# Altium PCB SensorControl_Board_v3.1.PcbDoc (part 2 of 2)
Units mm, origin at the board's own origin, x right, y up, seen from the top; angles counter-clockwise.
Board outline 75 x 62 mm, 4 copper layers (TOP, GND, PWR, BOT), stack 1.483 mm thick; 109 components, 86 nets, 400 pads, 254 vias.
Unrouted connection lines stored in the file: 2.
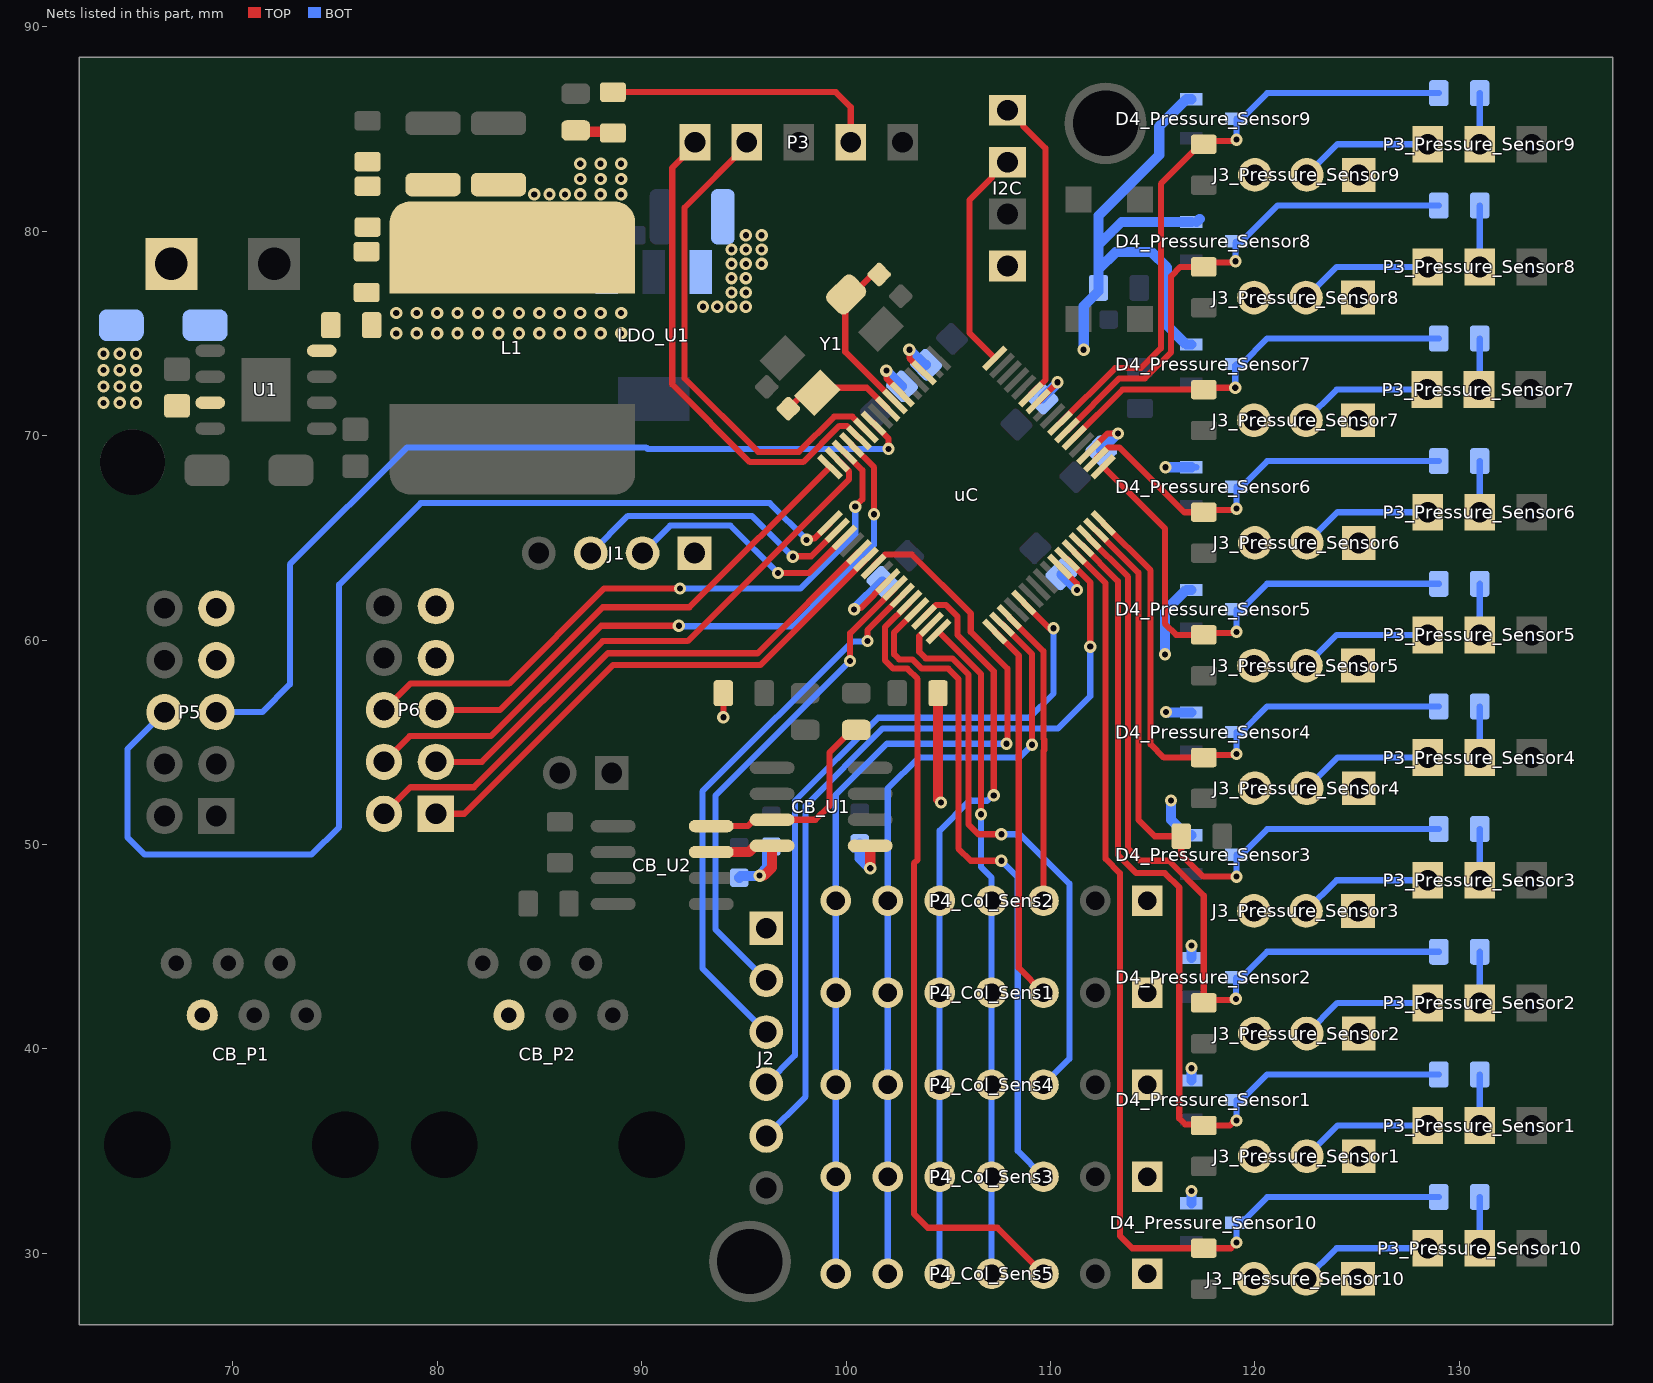
[diagram p4: the nets of this part, all layers, seen from the top]

## Via types
v1: diameter 0.6, hole 0.3, TOP to BOT, 252 vias
v2: diameter 1.27, hole 0.762, TOP to BOT, 2 vias

## Nets (pads, with @x,y where several pads share a name; then routed paths per layer and width w, separated by ;. In a path a pad name is that pad's centre, name@x,y a point inside that pad or via, vN(x,y) a via of type N, cw(c..) or ccw(c..) an arc to the next point about the centre after c; other vN are vias at no path point) (continued)
NetCB_U1_7: CB_U1.7 CB_U2.4 RXCAN.1 | length 10.6
  TOP w0.3: CB_U2.4@93.409,50.896 95.193,50.896 95.503,51.206 CB_U1.7@96.384,51.206 98.506,51.206 99.2,51.9 99.2,54.5 100.3,55.6 RXCAN.1@100.5,55.6
NetD2_2: D2.2 P1.2
NetJ3_Pressure_Sensor1_2: J3_Pressure_Sensor1.2 P3_Pressure_Sensor1.1 | length 6.5
  BOT w0.3: J3_Pressure_Sensor1.2@122.54,34.75 124.04,36.25 P3_Pressure_Sensor1.1@128.46,36.25
NetJ3_Pressure_Sensor2_2: J3_Pressure_Sensor2.2 P3_Pressure_Sensor2.1 | length 6.5
  BOT w0.3: J3_Pressure_Sensor2.2@122.54,40.75 124.04,42.25 P3_Pressure_Sensor2.1@128.46,42.25
NetJ3_Pressure_Sensor3_2: J3_Pressure_Sensor3.2 P3_Pressure_Sensor3.1 | length 6.6
  BOT w0.3: J3_Pressure_Sensor3.2@122.5,46.75 124,48.25 P3_Pressure_Sensor3.1@128.46,48.25
NetJ3_Pressure_Sensor4_2: J3_Pressure_Sensor4.2 P3_Pressure_Sensor4.1 | length 6.5
  BOT w0.3: J3_Pressure_Sensor4.2@122.54,52.75 124.04,54.25 P3_Pressure_Sensor4.1@128.46,54.25
NetJ3_Pressure_Sensor5_2: J3_Pressure_Sensor5.2 P3_Pressure_Sensor5.1 | length 6.8
  BOT w0.3: J3_Pressure_Sensor5.2@122.5,58.5 J3_Pressure_Sensor5.2@122.5,58.75 124,60.25 P3_Pressure_Sensor5.1@128.46,60.25
NetJ3_Pressure_Sensor6_2: J3_Pressure_Sensor6.2 P3_Pressure_Sensor6.1 | length 6.5
  BOT w0.3: J3_Pressure_Sensor6.2@122.54,64.75 124.04,66.25 P3_Pressure_Sensor6.1@128.46,66.25
NetJ3_Pressure_Sensor7_2: J3_Pressure_Sensor7.2 P3_Pressure_Sensor7.1 | length 6.5
  BOT w0.3: J3_Pressure_Sensor7.2@122.5,70.75 124,72.25 P3_Pressure_Sensor7.1@128.42,72.25
NetJ3_Pressure_Sensor8_2: J3_Pressure_Sensor8.2 P3_Pressure_Sensor8.1 | length 6.6
  BOT w0.3: J3_Pressure_Sensor8.2@122.5,76.75 124,78.25 P3_Pressure_Sensor8.1@128.46,78.25
NetJ3_Pressure_Sensor9_2: J3_Pressure_Sensor9.2 P3_Pressure_Sensor9.1 | length 6.5
  BOT w0.3: J3_Pressure_Sensor9.2@122.54,82.75 124.04,84.25 P3_Pressure_Sensor9.1@128.46,84.25
NetJ3_Pressure_Sensor10_2: J3_Pressure_Sensor10.2 P3_Pressure_Sensor10.1 | length 6.6
  BOT w0.3: J3_Pressure_Sensor10.2@122.5,28.75 124,30.25 P3_Pressure_Sensor10.1@128.46,30.25
NetP3_Pressure_Sensor1_2: P3_Pressure_Sensor1.2 R14_Pressure_Sensor1.1 | length 2.5
  BOT w0.3: P3_Pressure_Sensor1.2@131,36.25 R14_Pressure_Sensor1.1@131,38.75
NetP3_Pressure_Sensor2_2: P3_Pressure_Sensor2.2 R14_Pressure_Sensor2.1 | length 2.5
  BOT w0.3: P3_Pressure_Sensor2.2@131,42.25 R14_Pressure_Sensor2.1@131,44.75
NetP3_Pressure_Sensor3_2: P3_Pressure_Sensor3.2 R14_Pressure_Sensor3.1 | length 2.5
  BOT w0.3: P3_Pressure_Sensor3.2@131,48.25 R14_Pressure_Sensor3.1@131,50.75
NetP3_Pressure_Sensor4_2: P3_Pressure_Sensor4.2 R14_Pressure_Sensor4.1 | length 2.5
  BOT w0.3: P3_Pressure_Sensor4.2@131,54.25 R14_Pressure_Sensor4.1@131,56.75
NetP3_Pressure_Sensor5_2: P3_Pressure_Sensor5.2 R14_Pressure_Sensor5.1 | length 2.5
  BOT w0.3: P3_Pressure_Sensor5.2@131,60.25 R14_Pressure_Sensor5.1@131,62.75
NetP3_Pressure_Sensor6_2: P3_Pressure_Sensor6.2 R14_Pressure_Sensor6.1 | length 2.5
  BOT w0.3: P3_Pressure_Sensor6.2@131,66.25 R14_Pressure_Sensor6.1@131,68.75
NetP3_Pressure_Sensor7_2: P3_Pressure_Sensor7.2 R14_Pressure_Sensor7.1 | length 3
  BOT w0.3: P3_Pressure_Sensor7.2@130.96,71.75 131,71.79 R14_Pressure_Sensor7.1@131,74.75
NetP3_Pressure_Sensor8_2: P3_Pressure_Sensor8.2 R14_Pressure_Sensor8.1 | length 3
  BOT w0.3: P3_Pressure_Sensor8.2@131,78.25 R14_Pressure_Sensor8.1@131,81.25
NetP3_Pressure_Sensor9_2: P3_Pressure_Sensor9.2 R14_Pressure_Sensor9.1 | length 2.5
  BOT w0.3: P3_Pressure_Sensor9.2@131,84.25 R14_Pressure_Sensor9.1@131,86.75
NetP3_Pressure_Sensor10_2: P3_Pressure_Sensor10.2 R14_Pressure_Sensor10.1 | length 2.5
  BOT w0.3: P3_Pressure_Sensor10.2@131,30.25 R14_Pressure_Sensor10.1@131,32.75
NetPWR1_2: PWR1.2 R13.1 | length 1.9
  TOP w0.5: PWR1.2@86.775,84.925 86.838,84.862 88.537,84.862 R13.1@88.6,84.8
NetR2_1: R2.1 R5.2 U1.4
NetR5_1: R5.1 R6.2
NetR6_1: R6.1 R8.2
OSC1: C17.2 uC.39 Y1.1 | length 8.3
  TOP w0.3: C17.2@101.62,77.88 101.301,77.88 100.425,77.004 100.107,77.004 99.966,76.863 99.966,74.095 uC.39@102.4,71.661
OSC2: C18.2 uC.40 Y1.3 | length 5.7
  TOP w0.3: C18.2@97.18,71.32 98.056,72.196 98.693,72.196 98.834,72.337 101.016,72.337 uC.40@102.046,71.307
PGEC: P3.5 uC.44 | length 24
  TOP w0.3: P3.5@92.61,84.35 92.61,84.2 91.5,83.09 91.5,72.5 95.3,68.7 97.9,68.7 99.676,70.476 100.049,70.476 uC.44@100.632,69.893
PGED: P3.4 uC.43 | length 24.2
  TOP w0.3: P3.4@95.15,84.35 95.15,84.2 92.1,81.15 92.1,72.8 95.7,69.2 97.7,69.2 99.426,70.926 100.306,70.926 uC.43@100.986,70.247
PS1: D4_Pressure_Sensor1.3 R14_Pressure_Sensor1.2 R15_Pressure_Sensor1.2 uC.13 | length 45.3
  TOP w0.3: uC.13@111.521,64.66 113.3,62.882 113.3,49.5 114.2,48.6 115.6,48.6 116.3,47.9 116.3,36.6 116.591,36.309 117.441,36.309 R15_Pressure_Sensor1.2@117.5,36.25 118.769,36.25 119.019,36.5 v1(119.1,36.5)
  BOT w0.3: v1(119.1,36.5) D4_Pressure_Sensor1.3@119.1,37.5 119.35,37.5 120.6,38.75 R14_Pressure_Sensor1.2@129,38.75
PS2: D4_Pressure_Sensor2.3 R14_Pressure_Sensor2.2 R15_Pressure_Sensor2.2 uC.14 | length 39.1
  TOP w0.3: uC.14@111.875,65.014 113.8,63.089 113.8,49.8 114.4,49.2 115.8,49.2 117.5,47.5 R15_Pressure_Sensor2.2@117.5,42.25 117.668,42.418 117.696,42.389 119.014,42.389 v1(119.071,42.446)
  BOT w0.3: v1(119.071,42.446) 119.071,43.471 D4_Pressure_Sensor2.3@119.1,43.5 119.35,43.5 120.6,44.75 R14_Pressure_Sensor2.2@129,44.75
PS3: D4_Pressure_Sensor3.3 R14_Pressure_Sensor3.2 R15_Pressure_Sensor3.2 uC.15 | length 33
  TOP w0.3: uC.15@112.229,65.368 114.3,63.296 114.3,51.2 115.1,50.4 R15_Pressure_Sensor3.2@116.4,50.4 116.4,49.5 117.475,48.425 v1(119.1,48.425)
  BOT w0.3: v1(119.1,48.425) D4_Pressure_Sensor3.3@119.1,49.5 119.35,49.5 120.6,50.75 R14_Pressure_Sensor3.2@129,50.75
PS4: D4_Pressure_Sensor4.3 R14_Pressure_Sensor4.2 R15_Pressure_Sensor4.2 uC.16 | length 27.8
  TOP w0.3: uC.16@112.582,65.721 114.9,63.403 114.9,54.9 115.55,54.25 R15_Pressure_Sensor4.2@117.5,54.25 117.618,54.368 119.043,54.368 v1(119.1,54.425)
  BOT w0.3: v1(119.1,54.425) D4_Pressure_Sensor4.3@119.1,55.5 119.35,55.5 120.6,56.75 R14_Pressure_Sensor4.2@129,56.75
PS5: D4_Pressure_Sensor5.3 R14_Pressure_Sensor5.2 R15_Pressure_Sensor5.2 uC.17 | length 24.2
  TOP w0.3: uC.17@112.582,68.479 115.6,65.461 115.6,60.8 116.15,60.25 R15_Pressure_Sensor5.2@117.5,60.25 117.593,60.343 119.043,60.343 v1(119.1,60.4)
  BOT w0.3: v1(119.1,60.4) D4_Pressure_Sensor5.3@119.1,61.5 119.35,61.5 120.6,62.75 R14_Pressure_Sensor5.2@129,62.75
PS6: D4_Pressure_Sensor6.3 R14_Pressure_Sensor6.2 R15_Pressure_Sensor6.2 uC.18 | length 20
  TOP w0.3: uC.18@112.229,68.832 112.811,69.415 113.385,69.415 116.55,66.25 R15_Pressure_Sensor6.2@117.5,66.25 117.618,66.368 119.043,66.368 v1(119.1,66.425)
  BOT w0.3: v1(119.1,66.425) D4_Pressure_Sensor6.3@119.1,67.5 119.35,67.5 120.6,68.75 R14_Pressure_Sensor6.2@129,68.75
PS7: D4_Pressure_Sensor7.3 R14_Pressure_Sensor7.2 R15_Pressure_Sensor7.2 uC.21 | length 20.5
  TOP w0.3: uC.21@111.168,69.893 113.525,72.25 R15_Pressure_Sensor7.2@117.5,72.25 117.593,72.343 v1(119.043,72.343)
  BOT w0.3: v1(119.043,72.343) 119.043,73.443 D4_Pressure_Sensor7.3@119.1,73.5 119.35,73.5 120.6,74.75 R14_Pressure_Sensor7.2@129,74.75
PS8: D4_Pressure_Sensor8.3 R14_Pressure_Sensor8.2 R15_Pressure_Sensor8.2 uC.22 | length 25.5
  TOP w0.3: uC.22@110.814,70.247 113.368,72.8 114.625,72.8 115.9,74.075 115.9,77.8 116.35,78.25 R15_Pressure_Sensor8.2@117.5,78.25 117.768,78.518 117.818,78.468 118.993,78.468 v1(119.05,78.525)
  BOT w0.3: v1(119.05,78.525) 119.05,79.45 D4_Pressure_Sensor8.3@119.1,79.5 119.35,79.5 121.1,81.25 R14_Pressure_Sensor8.2@129,81.25
PS9: D4_Pressure_Sensor9.3 R14_Pressure_Sensor9.2 R15_Pressure_Sensor9.2 uC.23 | length 30.5
  TOP w0.3: uC.23@110.461,70.6 113.161,73.3 114.425,73.3 115.4,74.275 115.4,82.31 117.34,84.25 R15_Pressure_Sensor9.2@117.5,84.25 117.668,84.418 119.043,84.418 v1(119.1,84.475)
  BOT w0.3: v1(119.1,84.475) D4_Pressure_Sensor9.3@119.1,85.5 119.35,85.5 120.6,86.75 R14_Pressure_Sensor9.2@129,86.75
PS10: D4_Pressure_Sensor10.3 R14_Pressure_Sensor10.2 R15_Pressure_Sensor10.2 uC.12 | length 51.8
  TOP w0.3: uC.12@111.168,64.307 112.7,62.775 112.7,49.3 113.4,48.6 113.4,30.85 114,30.25 R15_Pressure_Sensor10.2@117.5,30.25 118.825,30.25 v1(119.1,30.525)
  BOT w0.3: v1(119.1,30.525) D4_Pressure_Sensor10.3@119.1,31.5 119.35,31.5 120.6,32.75 R14_Pressure_Sensor10.2@129,32.75
QEA1: P6.2 uC.53 | length 28.5
  TOP w0.3: P6.2@77.4,51.5 78.694,52.794 81.794,52.794 88.35,59.35 95.675,59.35 uC.53@100.632,64.307
QEA2: P5.6 uC.49 | length 56.7
  TOP w0.3: v1(98.075,64.9) 98.132,64.957 98.454,64.957 uC.49@99.218,65.721
  BOT w0.3: P5.6@66.66,56.47 64.85,54.66 64.85,50.35 65.7,49.5 73.85,49.5 75.2,50.85 75.2,62.7 79.2,66.7 96.275,66.7 v1(98.075,64.9)
QEA3: P6.6 uC.46 | length 31.1
  TOP w0.3: P6.6@77.4,56.58 78.691,57.871 83.521,57.871 88.175,62.525 v1(91.875,62.525) ; uC.46@99.925,69.186 100.8,68.311 100.8,66.875 v1(100.45,66.525)
  BOT w0.3: v1(91.875,62.525) 97.775,62.525 100.45,65.2 v1(100.45,66.525)
QEA6: P6.4 uC.45 | length 33.7
  TOP w0.3: P6.4@77.4,54.04 78.66,55.3 82.625,55.3 88.025,60.7 v1(91.825,60.7) ; uC.45@100.279,69.54 101.375,68.443 v1(101.375,66.15)
  BOT w0.3: v1(91.825,60.7) 91.85,60.675 97.4,60.675 101.375,64.65 v1(101.375,66.15)
QEB1: P6.1 uC.54 | length 26.9
  TOP w0.3: P6.1@80.418,51.978 P6.1@79.94,51.5 81.325,51.5 88.6,58.775 95.807,58.775 uC.54@100.986,63.953
QEB3: P6.5 uC.48 | length 24.2
  TOP w0.3: P6.5@79.94,56.58 83.08,56.58 88.1,61.6 92.339,61.6 uC.48@99.218,68.479
QEB6: P6.3 uC.47 | length 27.2
  TOP w0.3: P6.3@79.94,54.04 82.19,54.04 88.1,59.95 92.25,59.95 100.154,67.854 100.154,68.25 uC.47@99.571,68.832
RD8: P5.5 uC.42 | length 43.3
  TOP w0.3: uC.42@101.339,70.6 102.075,69.864 v1(102.075,69.35)
  BOT w0.3: P5.5@69.2,56.47 71.445,56.47 72.8,57.825 72.8,63.696 78.529,69.425 90.224,69.425 90.299,69.35 v1(102.075,69.35)
RX: J1.2 uC.51 | length 12.1
  TOP w0.3: v1(96.675,63.275) 98.186,63.275 uC.51@99.925,65.014
  BOT w0.3: J1.2@90.05,64.25 91.4,65.6 94.35,65.6 v1(96.675,63.275)
S0: P4_Col_Sens1.4 P4_Col_Sens2.4 P4_Col_Sens3.4 P4_Col_Sens4.4 P4_Col_Sens5.4 uC.64 | length 32.5
  TOP w0.3: uC.64@104.521,60.418 106.6,58.339 v1(106.6,51.475)
  BOT w0.3: v1(106.6,51.475) 106.6,48.9 107.12,48.38 P4_Col_Sens2.4@107.12,47.25 P4_Col_Sens1.4@107.12,42.75 P4_Col_Sens4.4@107.12,38.25 P4_Col_Sens3.4@107.12,33.75 P4_Col_Sens5.4@107.12,29
S1: P4_Col_Sens1.5 P4_Col_Sens2.5 P4_Col_Sens3.5 P4_Col_Sens4.5 P4_Col_Sens5.5 uC.62 | length 36.6
  TOP w0.3: uC.62@103.814,61.125 104.397,61.708 104.892,61.708 105.458,61.142 105.458,60.242 107.225,58.475 v1(107.225,52.4)
  BOT w0.3: P4_Col_Sens5.5@104.58,29 P4_Col_Sens3.5@104.58,33.75 P4_Col_Sens4.5@104.58,38.25 P4_Col_Sens1.5@104.58,42.75 P4_Col_Sens2.5@104.58,47.25 104.58,50.68 106.037,52.138 106.899,52.138 107.162,52.4 v1(107.225,52.4)
S2: P4_Col_Sens1.6 P4_Col_Sens2.6 P4_Col_Sens3.6 P4_Col_Sens4.6 P4_Col_Sens5.6 uC.2 | length 38.2
  TOP w0.3: uC.2@107.632,60.771 109.1,59.304 v1(109.1,54.875)
  BOT w0.3: P4_Col_Sens5.6@102.04,29 P4_Col_Sens3.6@102.04,33.75 P4_Col_Sens4.6@102.04,38.25 102,38.29 102,39 102.04,39.04 P4_Col_Sens1.6@102.04,42.75 P4_Col_Sens2.6@102.04,47.25 102.04,52.74 103.55,54.25 108.475,54.25 v1(109.1,54.875)
S3: P4_Col_Sens1.7 P4_Col_Sens2.7 P4_Col_Sens3.7 P4_Col_Sens4.7 P4_Col_Sens5.7 uC.55 | length 46.1
  TOP w0.3: uC.55@101.339,63.6 101.922,64.183 103.217,64.183 106.1,61.3 106.1,60.4 107.9,58.6 107.9,54.975 v1(107.85,54.925)
  BOT w0.3: P4_Col_Sens5.7@99.5,29 P4_Col_Sens3.7@99.5,33.75 P4_Col_Sens4.7@99.5,38.25 P4_Col_Sens1.7@99.5,42.75 P4_Col_Sens2.7@99.5,47.25 99.5,52.425 102,54.925 v1(107.85,54.925)
S\S\: J2.2 uC.58 | length 23.8
  TOP w0.3: v1(100.2,58.975) 100.2,60.339 uC.58@102.4,62.539
  BOT w0.3: J2.2@96.1,43.36 93.625,45.835 93.625,52.4 v1(100.2,58.975)
SCK: J2.3 uC.59 | length 27.1
  TOP w0.3: v1(101.05,59.95) 101.05,60.482 uC.59@102.753,62.186
  BOT w0.3: J2.3@96.1,40.82 92.975,43.945 92.975,52.599 100.3,59.924 101.024,59.924 v1(101.05,59.95)
SCL: I2C.3 uC.32 | length 11
  TOP w0.3: uC.32@107.279,73.782 106.05,75.011 106.05,81.525 107.15,82.625 107.15,82.775 107.75,83.375 I2C.3@107.9,83.375
SDA: I2C.4 uC.27 | length 15
  TOP w0.3: I2C.4@107.9,85.915 108.05,85.915 108.65,85.315 108.65,85.165 109.75,84.065 109.75,72.718 uC.27@109.047,72.014
SDI: J2.4 uC.5 | length 34.4
  TOP w0.3: uC.5@108.693,61.832 109.95,60.575 v1(110.15,60.575)
  BOT w0.3: J2.4@96.1,38.28 97.5,39.68 97.5,52.125 101.575,56.2 108.975,56.2 110.15,57.375 v1(110.15,60.575)
SDO: J2.5 uC.11 | length 40.3
  TOP w0.3: uC.11@110.814,63.953 111.95,62.818 v1(111.95,59.675)
  BOT w0.3: J2.5@96.1,35.74 98.025,37.665 98.025,51.9 101.8,55.675 110.375,55.675 111.95,57.25 v1(111.95,59.675)
TCK1: P4_Col_Sens1.3 uC.1 | length 18.7
  TOP w0.3: uC.1@107.279,60.418 108.45,59.247 108.45,43.96 P4_Col_Sens1.3@109.66,42.75
TCK2: P4_Col_Sens2.3 uC.3 | length 14.6
  TOP w0.3: uC.3@107.986,61.125 109.66,59.451 109.66,55.164 109.7,55.124 109.7,54.626 109.66,54.586 P4_Col_Sens2.3@109.66,47.25
TCK3: P4_Col_Sens3.3 uC.61 | length 33.2
  TOP w0.3: uC.61@103.46,61.479 102.35,60.368 102.35,59.3 102.6,59.05 103.25,59.05 103.7,58.6 105,58.6 105.5,58.1 105.5,49.8 106.1,49.2 v1(107.6,49.2)
  BOT w0.3: v1(107.6,49.2) 108.4,48.4 108.4,35.01 P4_Col_Sens3.3@109.66,33.75
TCK4: P4_Col_Sens4.3 uC.63 | length 28.3
  TOP w0.3: uC.63@104.168,60.771 103.585,60.189 103.585,59.415 103.9,59.1 105.2,59.1 106,58.3 106,50.975 106.475,50.5 v1(107.6,50.5)
  BOT w0.3: v1(107.6,50.5) 108.5,50.5 110.925,48.075 110.925,39.515 P4_Col_Sens4.3@109.66,38.25
TCK5: P4_Col_Sens5.3 uC.60 | length 39.1
  TOP w0.3: uC.60@103.107,61.832 101.9,60.625 101.9,59 102.3,58.6 103,58.6 103.5,58.1 103.5,49.25 103.325,49.075 103.325,31.925 104,31.25 107.41,31.25 P4_Col_Sens5.3@109.66,29
TX: J1.3 uC.50 | length 14.2
  TOP w0.3: v1(97.4,64.075) 97.421,64.096 98.3,64.096 uC.50@99.571,65.368
  BOT w0.3: J1.3@87.51,64.25 89.335,66.075 95.4,66.075 v1(97.4,64.075)
VCC-3V3: C11.2 C12.2 C13.2 C14.2 C15.2 C19.2 CB_C2.2 CB_C3.2 CB_P1.2 CB_P2.2 CB_R1.2 CB_R2.2 CB_U1.8 CB_U2.3 D4_Pressure_Sensor1.2 D4_Pressure_Sensor2.2 D4_Pressure_Sensor3.2 D4_Pressure_Sensor4.2 D4_Pressure_Sensor5.2 D4_Pressure_Sensor6.2 D4_Pressure_Sensor7.2 D4_Pressure_Sensor8.2 D4_Pressure_Sensor9.2 D4_Pressure_Sensor10.2 J1.1 LDO_C2.1 LDO_U1.3 P3.2 P5.7 P6.7 R13.2 R16.2 uC.10 uC.19 uC.26 uC.35 uC.38 uC.57 | length 84
  TOP w0.3: R13.2@88.6,86.8 99.5,86.8 100.23,86.07 P3.2@100.23,84.35 ; v1(94,56.225) CB_R2.2@94,57.4 ; v1(100.4,61.5) 100.457,61.557 100.711,61.557 uC.57@102.046,62.893 ; v1(101.975,73.175) 101.975,72.793 uC.38@102.753,72.014 ; v1(103.1,74.2) 103.1,73.789 uC.35@103.814,73.075 ; uC.26@109.4,71.661 v1(110.35,72.611) ; uC.10@110.461,63.6 111.3,62.761 v1(111.3,62.45) ; uC.19@111.875,69.186 112.789,70.1 v1(113.3,70.1)
  TOP w0.5: CB_U2.3@93.409,49.626 95.247,49.626 95.557,49.936 CB_U1.8@96.384,49.936 96.384,48.886 95.992,48.494 95.794,48.494 v1(95.775,48.475) ; CB_R1.2@104.5,57.4 104.5,52.2 v1(104.65,52.05)
  BOT w0.3: D4_Pressure_Sensor6.2@116.9,68.45 D4_Pressure_Sensor6.2@117.15,68.45
  BOT w0.5: CB_C3.2@94.775,48.375 94.856,48.456 95.756,48.456 v1(95.775,48.475) 95.775,48.502 96.15,48.877 96.15,49.7 CB_C2.2@96.35,49.9 ; v1(100.4,61.5) 100.412,61.5 101.762,62.85 C15.2@101.775,62.85 ; v1(101.975,73.175) 101.975,73.168 102.731,72.411 C12.2@102.739,72.411 ; v1(103.1,74.2) 103.107,74.2 103.846,73.461 C11.2@103.914,73.461 ; C13.2@109.611,71.811 109.611,71.845 110.35,72.584 v1(110.35,72.611) ; C19.2@110.536,63.214 v1(111.3,62.45) ; v1(111.625,74.2) 111.625,76.34 112.35,77.065 R16.2@112.35,77.225 112.35,78.125 ; C14.2@112.486,69.286 v1(113.3,70.1) ; v1(115.6,59.3) 115.6,61.4 116.65,62.45 D4_Pressure_Sensor5.2@116.9,62.45 ; v1(115.625,68.45) D4_Pressure_Sensor6.2@116.9,68.45 ; v1(115.65,56.475) 115.675,56.45 D4_Pressure_Sensor4.2@116.9,56.45 ; v1(115.9,52.15) 115.9,51.2 116.65,50.45 D4_Pressure_Sensor3.2@116.9,50.45 ; D4_Pressure_Sensor10.2@116.9,32.45 v1(116.9,33.05) ; D4_Pressure_Sensor1.2@116.9,38.45 v1(116.9,39.05) ; D4_Pressure_Sensor2.2@116.9,44.45 v1(116.9,45.05) ; D4_Pressure_Sensor7.2@116.9,74.45 116.65,74.45 115.7,75.4 115.7,78.225 114.95,78.975 113.2,78.975 112.35,78.125 ; D4_Pressure_Sensor8.2@116.9,80.45 113.475,80.45 112.35,79.325 ; D4_Pressure_Sensor9.2@116.9,86.45 116.65,86.45 115.325,85.125 115.325,83.725 112.35,80.75 112.35,79.325 ; D4_Pressure_Sensor8.2@117.15,80.45 D4_Pressure_Sensor8.2@117.3,80.6 ; 112.35,78.125 112.35,79.325
  other v1: 93,76.3 93.7,76.3 94.4,76.3 95.1,76.3 94.4,77 95.1,77 94.4,77.7 95.1,77.7 94.4,78.4 95.1,78.4 95.875,78.4 94.4,79.1 95.1,79.1 95.875,79.1 95.1,79.8 95.875,79.8
VCC-5V: C2.2 C4.2 CB_C1.2 CB_U1.1 I2C.1 J2.1 J3_Pressure_Sensor1.3 J3_Pressure_Sensor2.3 J3_Pressure_Sensor3.3 J3_Pressure_Sensor4.3 J3_Pressure_Sensor5.3 J3_Pressure_Sensor6.3 J3_Pressure_Sensor7.3 J3_Pressure_Sensor8.3 J3_Pressure_Sensor9.3 J3_Pressure_Sensor10.3 L1.2 LDO_C1.2 LDO_U1.1 P4_Col_Sens1.1 P4_Col_Sens2.1 P4_Col_Sens3.1 P4_Col_Sens4.1 P4_Col_Sens5.1 P5.9 P6.9 R2.2 | length 2.6
  TOP w0.5: v1@101.175,48.825 v1(101.184,48.834) CB_U1.1@101.184,49.936
  BOT w0.5: CB_C1.2@100.675,50.05 100.675,49.316 101.157,48.834 v1(101.184,48.834)
  other v1: 78,75 79,75 80,75 81,75 82,75 83,75 84,75 85,75 86,75 87,75 88,75 89,75 78,76 79,76 80,76 81,76 82,76 83,76 84,76 85,76 86,76 87,76 88,76 89,76 84.75,81.8 85.5,81.8 86.25,81.8 87,81.8 88,81.8 89,81.8 87,82.55 88,82.55 89,82.55 87,83.3 88,83.3 89,83.3
VCC-12V: C3.2 D2.1 J3_Pressure_Sensor1.1 J3_Pressure_Sensor2.1 J3_Pressure_Sensor3.1 J3_Pressure_Sensor4.1 J3_Pressure_Sensor5.1 J3_Pressure_Sensor6.1 J3_Pressure_Sensor7.1 J3_Pressure_Sensor8.1 J3_Pressure_Sensor9.1 J3_Pressure_Sensor10.1 U1.7
  other v1: 63.675,71.6 64.475,71.6 65.275,71.6 63.675,72.4 64.475,72.4 65.275,72.4 63.675,73.2 64.475,73.2 65.275,73.2 63.675,74 64.475,74 65.275,74
pads on no net: CB_P1.1 CB_P1.6 CB_P1.M1 CB_P1.M2 CB_P2.1 CB_P2.6 CB_P2.M1 CB_P2.M2 CB_U2.5 SW1.0 U1.2 U1.3 U1.5 uC.4 uC.8 uC.33 uC.34 uC.36 uC.37 uC.52

## Polygon pours and split planes (outlines as drawn)
GND on BOT "GND_L04_P001" (solid, remove dead copper, pour order 1): 62.5,88.5 62.5,26.5 137.5,26.5 137.5,88.5
GND on TOP "TOP_OSC_GND" (solid, pour order 2): 94.3,72.5 94.3,73 101,79.7 101.5,79.7 104.5,76.7 104.5,76.2 98,69.7 97.1,69.7
GND on TOP "GND_L01_P000" (solid, remove dead copper, pour order 0): 62.5,88.5 62.5,26.5 137.5,26.5 137.5,88.5
VCC-3V3 on PWR (split plane): 100.67,76.12 100.746,76.057 100.833,76.011 100.927,75.982 101.025,75.973 116.517,75.973 117.798,74.692 117.798,33.8 117.798,33.333 117.237,32.773 116.477,33.533 116.477,48.3 116.468,48.398 116.439,48.492 116.393,48.579 116.33,48.655 114.606,50.38 114.593,50.404 114.53,50.48 114.454,50.543 114.367,50.589 114.273,50.618 114.175,50.627 98.95,50.627 98.852,50.618 98.758,50.589 98.671,50.543 98.595,50.48 92.695,44.58 92.632,44.504 92.586,44.417 92.557,44.323 92.548,44.225 92.548,27.01 63.01,27.01 63.01,59.848 81.425,59.848 81.523,59.857 81.617,59.886 81.704,59.932 81.78,59.995 82.655,60.87 82.718,60.946 82.764,61.033 82.793,61.127 82.802,61.225 82.802,70.117 85.033,72.348 88.975,72.348 89.073,72.357 89.167,72.386 89.254,72.432 89.33,72.495 90.705,73.87 90.768,73.946 90.814,74.033 90.843,74.127 90.852,74.225 90.852,78.767 92.233,80.148 96.642,80.148
VCC-12V on PWR (split plane): 136.99,27.01 123.743,27.01 123.793,27.071 123.839,27.158 123.868,27.252 123.877,27.35 123.877,82.425 123.868,82.523 123.839,82.617 123.793,82.704 123.73,82.78 121.78,84.73 121.704,84.793 121.617,84.839 121.523,84.868 121.425,84.877 118.925,84.877 118.827,84.868 118.733,84.839 118.646,84.793 118.57,84.73 115.367,81.527 108.983,81.527 104.93,85.58 104.854,85.643 104.767,85.689 104.673,85.718 104.575,85.727 69.225,85.727 69.127,85.718 69.033,85.689 68.946,85.643 68.87,85.58 66.776,83.486 66.713,83.41 66.667,83.323 66.638,83.229 66.629,83.131 66.629,71.514 65.517,70.402 63.01,70.402 63.01,87.99 136.99,87.99
VCC-5V on PWR (split plane): 108.42,80.67 108.496,80.607 108.583,80.561 108.677,80.532 108.775,80.523 115.575,80.523 115.673,80.532 115.767,80.561 115.854,80.607 115.93,80.67 119.133,83.873 121.217,83.873 122.873,82.217 122.873,27.558 122.325,27.01 93.552,27.01 93.552,44.017 99.158,49.623 113.942,49.623 115.473,48.092 115.473,33.325 115.482,33.227 115.511,33.133 115.557,33.046 115.62,32.97 116.82,31.77 116.896,31.707 116.983,31.661 117.077,31.632 117.175,31.623 117.3,31.623 117.398,31.632 117.492,31.661 117.579,31.707 117.655,31.77 118.655,32.77 118.718,32.846 118.764,32.933 118.793,33.027 118.802,33.125 118.802,33.8 118.802,74.9 118.793,74.998 118.764,75.092 118.718,75.179 118.655,75.255 117.08,76.83 117.004,76.893 116.917,76.939 116.823,76.968 116.725,76.977 101.233,76.977 97.205,81.005 97.129,81.068 97.042,81.114 96.948,81.143 96.85,81.152 92.025,81.152 91.927,81.143 91.833,81.114 91.746,81.068 91.67,81.005 89.995,79.33 89.932,79.254 89.886,79.167 89.857,79.073 89.848,78.975 89.848,74.433 88.767,73.352 84.825,73.352 84.727,73.343 84.633,73.314 84.546,73.268 84.47,73.205 81.945,70.68 81.882,70.604 81.836,70.517 81.807,70.423 81.798,70.325 81.798,61.433 81.217,60.852 63.01,60.852 63.01,69.398 65.725,69.398 65.823,69.407 65.917,69.436 66.004,69.482 66.08,69.545 67.486,70.951 67.549,71.027 67.595,71.114 67.624,71.208 67.633,71.306 67.633,82.923 69.433,84.723 104.367,84.723
no net on GND (split plane): 104.649,76.737 104.649,76.163 98.037,69.551 97.063,69.551 94.151,72.463 94.151,73.037 100.963,79.849 101.537,79.849
GND on GND (split plane): 136.99,27.01 63.01,27.01 63.01,87.99 136.99,87.99

## Keep-outs
Keep-Out Layer:
  the board outline again, w0.254

## Other copper
TOP:
  pour cut-out: 97.7,76.4 97.5,76.6 100.9,80 101.6,80 104.8,76.8 104.8,76.1 98.1,69.4 97,69.4 94,72.4 94,73.1 97.2,76.3 97.4,76.1 94.3,73 94.3,72.5 97.1,69.7 98,69.7 104.5,76.2 104.5,76.7 101.5,79.7 101,79.7
  region net VCC-12V: 66.25,71.125 66.625,70.75 67.875,70.75 68.25,71.125 69.65,71.125 69.75,71.225 69.75,72 69.625,72.125 66,72.125 65.675,72.45 65.675,74.15 65.325,74.5 63.5,74.5 63.125,74.125 63.125,71.5 63.5,71.125
  region net NetC1_2: 67.5,66.8 68.5,65.8 88.021,65.8 90.2,67.75 90.2,71.45 89.5,72.15 77.7,72.15 77.1,71.55 77.1,69.55 76.75,69.2 75.45,69.2 75.1,68.85 75.1,67.1 74.9,66.9 70.3,66.9 70.3,68.6 69.75,69.15 69.75,70.5 69.5,70.75 68.325,70.75 68,70.425 68,69.4 67.5,68.9
  region net VCC-5V: 76.175,74.7 76.325,74.55 89.25,74.55 90,75.3 90,83.25 89.4,83.85 86.6,83.85 85.05,83.85 84.55,83.35 78.3,83.35 78.1,83.15 78.1,81.45 77.65,81 77.65,76.45 77.368,76.15 76.35,76.15 76.175,75.975
  region net NetR5_1: 75.8,78.55 75.95,78.4 77.2,78.4 77.35,78.55 77.35,80.65 77.2,80.8 75.95,80.8 75.8,80.65
  region net NetC1_1: 76.6,71 76.75,70.85 76.75,69.75 76.6,69.6 75.4,69.6 75.1,69.9 73.7,69.9 73.5,70.1 73.5,70.55 73.75,70.8 75.1,70.8 75.3,71
  region net NetR2_1: 73.5,73.95 73.75,73.7 75.2,73.7 75.4,73.9 75.4,74.65 75.4,75.947 75.403,75.95 75.4,75.953 75.847,76.4 77.15,76.4 77.3,76.55 77.3,77.45 77.15,77.6 75.55,77.6 74.15,76.2 74.15,74.65 74.05,74.55 73.65,74.55 73.5,74.4
  region net NetR6_1: 76.05,84 77.15,84 77.35,83.8 77.35,82.9 77.35,82.65 77.35,81.75 77.2,81.6 76,81.6 75.85,81.75 75.85,82.65 75.85,82.9 75.85,83.8
  region net VCC-5V: 78.3,82.675 78.575,82.95 81,82.95 81.25,82.7 81.575,82.7 81.825,82.95 84.2,82.95 84.425,82.725 84.425,81.75 83.375,80.7 79.175,80.7 78.3,81.575
BOT:
  pour cut-out: 97.7,76.4 97.5,76.6 100.9,80 101.6,80 104.8,76.8 104.8,76.1 98.1,69.4 97,69.4 94,72.4 94,73.1 97.2,76.3 97.4,76.1 94.3,73 94.3,72.5 97.1,69.7 98,69.7 104.5,76.2 104.5,76.7 101.5,79.7 101,79.7
  region net VCC-3V3: 92.6,75.8 95.2,75.8 95.5,76.1 96.45,77.05 96.45,80.275 96.8,80.625 100.875,80.625 101.275,81.025 101.275,85.3 101.05,85.525 99.525,85.525 99.25,85.25 99.25,82.625 98.925,82.3 93.4,82.3 93.1,82 93.1,79.6 92.8,79.3 92.4,79.3 92.1,79 92.1,76.3
  region net NetD2_2: 65.375,77.25 65.75,76.875 66.8,76.875 67.375,76.3 67.375,74.625 67.625,74.375 69.625,74.375 69.885,74.635 69.885,76.365 69.125,77.125 69.125,79.75 68.875,80 65.625,80 65.375,79.75
  region net VCC-12V: 63.125,71.5 63.5,71.125 65.525,71.125 65.881,71.481 65.881,74.756 65.881,76.119 65.625,76.375 63.45,76.375 63.125,76.05
  region net VCC-5V: 89.5,74.8 89.3,74.6 83.8,74.6 83.5,74.9 83.5,82.3 85.1,83.9 89.2,83.9 89.5,83.6 89.5,81.3 88.9,80.7 88.9,79.1 89.2,78.8 89.2,76.7 89.5,76.4
GND (plane layer: these items are gaps in the copper):
  lines w0.3: 94,72.4 97,69.4 98.1,69.4 104.8,76.1 104.8,76.8 101.6,80 100.9,80 94,73.1 94,72.4
PWR (plane layer: these items are gaps in the copper):
  lines w1: 62.5,69.9 65.725,69.9 67.131,71.306 67.131,83.131 69.225,85.225 104.575,85.225 108.775,81.025 115.575,81.025 118.925,84.375 121.425,84.375 123.375,82.425 123.375,27.35 122.55,26.525 ; 62.55,60.35 81.425,60.35 82.3,61.225 82.3,70.325 84.825,72.85 88.975,72.85 90.35,74.225 90.35,78.975 92.025,80.65 96.85,80.65 101.025,76.475 116.725,76.475 118.3,74.9 118.3,33.8 118.3,33.125 117.3,32.125 117.175,32.125 115.975,33.325 115.975,48.3 114.175,50.1 ; 93.05,26.4 93.05,44.225 98.95,50.125 114.175,50.125

## Silkscreen, mask and mechanical layers (free items; w line width, h text height)
Top Overlay:
  lines w0.3: 84,62.5 85,62.5 ; 84.5,62 85.5,62 ; 85,63 85,62.5 ; 86,62.5 85,62.5 ; 102.7,78 102.7,81.4 ; 111.3,74.6 114.7,74.6
  text "BS 1" at 135.523,87 h2 r270
  text "5V" at 119,85.023 h2
  text "12V" at 123.5,85 h2
  text "PWR" at 85.6,82.7 h2
  text "BS 2" at 135.523,81 h2 r270
  text "PROG" at 94.4,79.823 h2
  text "5V" at 119,79.023 h2
  text "12V" at 123.5,79 h2
  text "RST" at 104.377,78 h2 r90
  text "BS 3" at 135.523,75 h2 r270
  text "I2C" at 105.8,74.921 h2
  text "5V" at 119,73.023 h2
  text "12V" at 123.5,73 h2
  text "RST" at 111.3,72.923 h2
  text "BS 4" at 135.523,69 h2 r270
  text "5V" at 119,67.023 h2
  text "12V" at 123.5,67 h2
  text "UART" at 85.9,65.523 h2
  text "BS 5" at 135.523,63 h2 r270
  text "5V" at 119,61.023 h2
  text "12V" at 123.5,61 h2
  text "TX" at 88.25,59.5 h2 r90
  text "RX" at 90.75,59.5 h2 r90
  text "TX" at 98.6,58.2 h2 r90
  text "RX" at 101.1,58.2 h2 r90
  text "BS 6" at 135.523,57 h2 r270
  text "5V" at 119,55.023 h2
  text "12V" at 123.5,55 h2
  text "SensorControl" at 102.696,53.973 h2
  text "BOARD" at 103.3,52.073 h2
  text "v3.1" at 110.1,52.073 h2
  text "BS 7" at 135.523,51 h2 r270
  text "5V" at 119,49.023 h2
  text "12V" at 123.5,49 h2
  text "BS 8" at 135.523,45 h2 r270
  text "5V" at 119,43.023 h2
  text "12V" at 123.5,43 h2
  text "BS 9" at 135.523,39 h2 r270
  text "SPI" at 94.577,37.7 h2 r90
  text "5V" at 119,37.023 h2
  text "12V" at 123.5,37 h2
  text "BS 10" at 135.523,33 h2 r270
  text "5V" at 119,31.023 h2
  text "12V" at 123.5,31 h2
Bottom Overlay:
  text "Serbian Made" at 82.804,46.323 h2

## Text inside footprints (layer, text, board x,y; h text height)
P5: Top Overlay "10" at 67.168,63.074 h1.27 r90; Top Overlay "9" at 69.708,63.074 h1.27 r90; Top Overlay "1" at 69.708,49.358 h1.27 r90; Top Overlay "2" at 67.168,48.85 h1.27 r90
P6: Top Overlay "2" at 77.908,48.96 h1.27 r90; Top Overlay "1" at 80.448,49.468 h1.27 r90; Top Overlay "9" at 80.448,63.184 h1.27 r90; Top Overlay "10" at 77.908,63.184 h1.27 r90